# KiCad board LittleSixteen.kicad_pcb (continued)
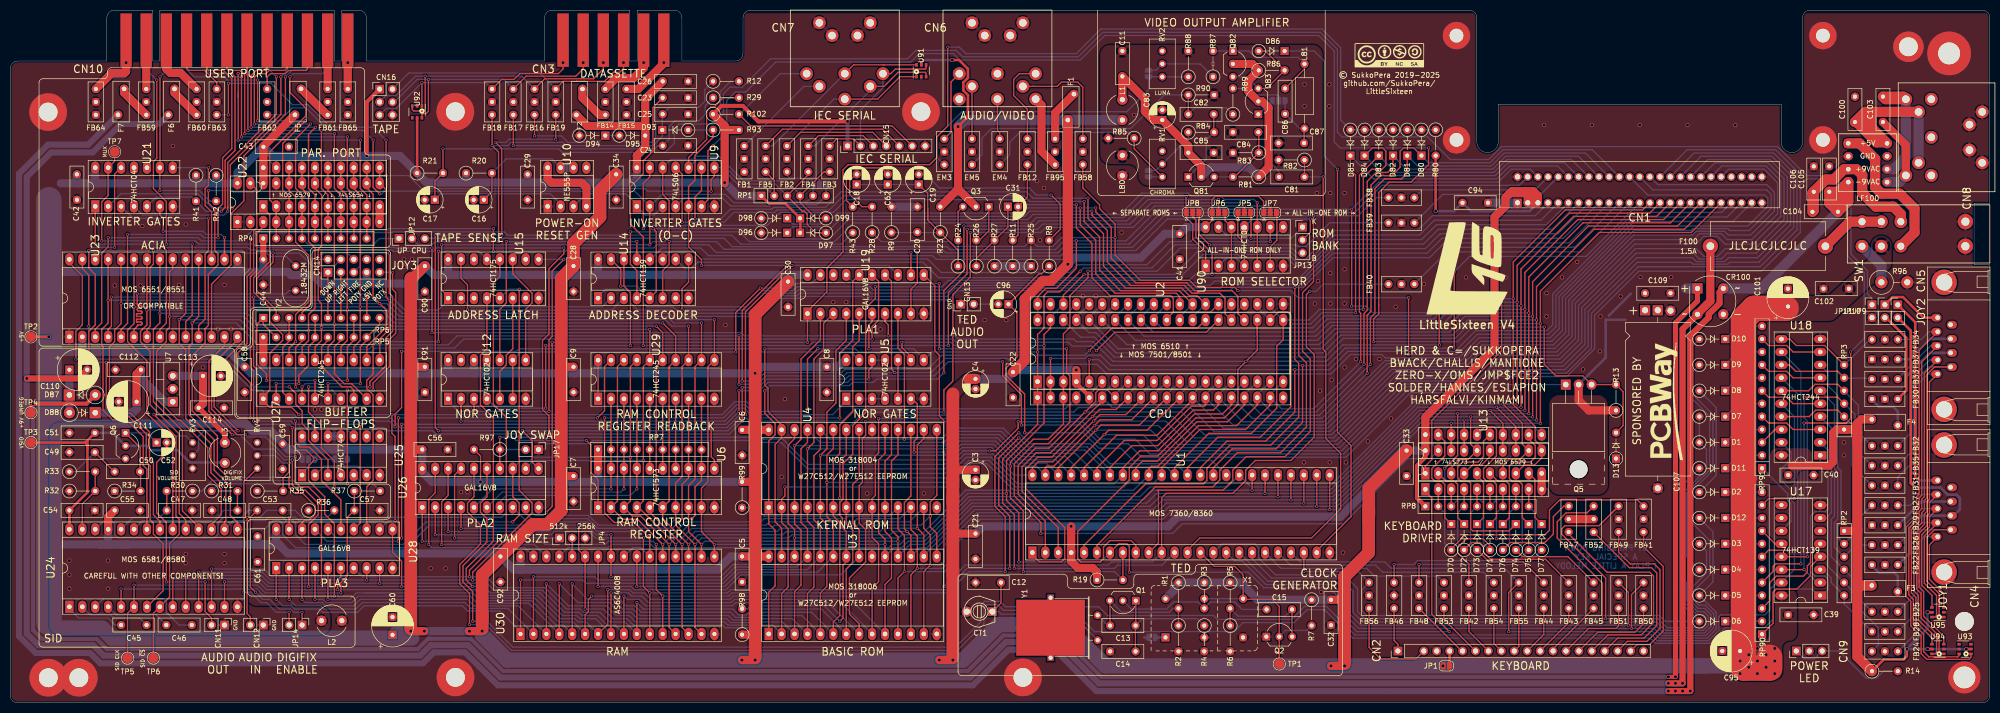
[diagram p0: board, top side]
## Routing (per net, layer and track width the routed paths; a pad name or vN(x,y) marks a point on that pad's centre or on a via; arc(x,y) is an arc through that point) (continued)
  Bottom w0.25: 72.21,70.39 v1(71.32,70.39) 70.44,69.5 45.29,69.5 44.4,70.39 16.08,70.39 15.44,71.02 v1(15.44,74.07) ; 72.21,70.39 86.06,70.39 87.83,72.16 v1(143.21,72.16) ; 72.21,70.39 72.02,70.39 ; CN1.24 338.52,94.65 319.1,94.65 304.37,79.92 304.37,73.56 302.59,71.78 288.62,71.78 284.68,67.85 270.18,67.85 269.54,68.49 263.35,68.49 259.54,64.68 215.46,64.68 213.56,66.58 197.05,66.58 195.91,67.72 183.72,67.72 180.93,64.92 v1(173.81,64.92) 164.41,64.92 163.78,64.29 148.54,64.29 146.89,62.64 v1(143.21,62.64)
r0: length 46.1
  Top w0.25: U29.2 RP7.2 U6.19 v1(118.06,42.06)
  Bottom w0.25: v1(118.06,42.06) 94.77,42.06 U26.5
r1: length 46.1
  Top w0.25: v1(120.6,42.06) 120.6,59.77
  Bottom w0.25: U26.6 96.67,41.43 119.97,41.43 v1(120.6,42.06)
r2: length 46.8
  Top w0.25: v1(123.14,42.06) U6.17 RP7.4 U29.4
  Bottom w0.25: U26.7 96.22,39.52 97.49,40.79 121.87,40.79 v1(123.14,42.06)
r3: length 13.7
  Top w0.25: U29.5 RP7.5 U6.16
r4: length 13.7
  Top w0.25: U29.6 RP7.6 U6.15
r5: length 13.7
  Top w0.25: 130.76,59.77 130.76,46.05
r6: length 60.4
  Top w0.25: v1(131.4,35.59) 132.03,36.22 132.03,42.95 133.3,44.22 U6.13 RP7.8 U29.8
  Bottom w0.25: v1(131.4,35.59) 130.12,34.32 115.39,34.32 113.49,36.22 106,36.22 105.36,35.59 101.6,35.59 U26.8
r7: length 60.4
  Top w0.25: 134.57,37.11 134.57,36.86 v1(133.94,36.22) ; 134.57,37.11 134.57,37.37 ; 134.57,37.11 134.57,42.45 135.84,43.72 U6.12 RP7.9 U29.9
  Bottom w0.25: U26.9 101.3,37.37 102.44,36.22 105.07,36.22 105.71,36.86 113.62,36.86 115.52,34.95 129.49,34.95 130.76,36.22 v1(133.94,36.22)
R_~{W}: length 751.6
  Top w0.25: v1(75.64,35.84) 75.64,52.35 75.01,52.99 v1(75.01,56.67) ; 282.14,14.63 279.35,17.43 279.35,40.29 278.08,41.56 U13.1 ; 282.14,14.63 v1(282.78,14) ; 282.14,14.63 282.27,14.51 ; 26.87,18.88 30.05,22.05 30.05,31.27 28.14,33.17 28.14,35.33 27.51,35.97 27.51,46.64 26.75,47.4 26.75,52.86 23.32,56.29 20.65,56.29 18.87,58.07 v1(18.87,66.96) ; v1(56.72,56.67) 55.32,58.07 51,58.07 49.73,59.34 U27.1 ; v1(211.02,84.23) 206.96,80.17 206.96,78.39 ; v1(219.91,25.68) 219.91,30.77 219.41,31.27 217.83,31.27 U1.7 ; 49.76,97.62 49.76,97.22 51,95.98 51,87.66 ; v1(156.67,57.3) 156.67,67.59 v1(158.7,69.62) ; v1(12.9,67.59) 12.9,73.05 14.17,74.32 14.17,83.97 11.63,86.51 U23.28 ; v1(175.21,70.89) 175.21,69.88 176.99,68.1 U5.9 ; v1(198.2,27.71) 198.2,37.37 195.78,39.78 v1(195.78,41.18) 195.78,47.66 203.15,55.02 v1(203.15,70.26) 203.15,72.42 204.42,73.69 U2.39 ; 51,88.08 51,87.66 ; 51,87.66 51,86.77 47.83,83.59 47.83,80.8 51,77.62 51,74.96 53.54,72.42 53.54,71.27 51,68.73 51,61.51 49.76,60.27 49.76,59.77 ; 91.14,59.77 v1(91.14,56.67)
  Bottom w0.25: v1(156.67,57.3) 146.63,57.3 144.73,59.21 142.44,59.21 139.9,56.67 v1(91.14,56.67) v1(75.01,56.67) v1(56.72,56.67) ; 172.42,30.51 172.54,30.51 ; 172.42,30.51 172.67,30.51 173.31,31.14 174.83,31.14 176.1,32.41 179.4,32.41 188.16,41.18 v1(195.78,41.18) ; 172.42,30.51 126.57,30.51 125.93,31.14 118.19,31.14 117.55,30.51 109.62,30.51 U30.29 ; v1(203.15,70.26) 185.5,70.26 184.86,70.89 v1(175.21,70.89) ; U28.12 74.32,35.84 v1(75.64,35.84) ; v1(282.78,14) 264.62,14 261.19,17.43 261.19,20.6 259.16,22.63 246.33,22.63 243.28,25.68 v1(219.91,25.68) ; 206.96,78.39 204.42,75.85 U2.39 ; CN1.5 300.77,94.9 279.86,94.9 276.94,91.98 260.11,91.98 255.7,87.56 ; 49.76,59.77 49.76,61.22 49.49,61.5 47.58,61.5 42.11,66.96 v1(18.87,66.96) 15.06,66.96 14.43,67.59 v1(12.9,67.59) ; v1(211.02,84.23) 228.8,84.23 233.37,88.8 241.63,88.8 242.27,88.17 251.22,88.17 252.87,86.51 254.65,86.51 255.7,87.56 ; v1(158.7,69.62) 166.07,69.62 166.7,68.99 175.39,68.99 U5.9 ; v1(198.2,27.71) 214.27,27.71 U1.7 ; 255.58,87.44 255.7,87.56
SERIAL_RESET: length 21.2
  Bottom w0.25: U10.3 113.18,100.1 120.98,100.1 123.14,97.94 U9.1 124.84,95.91 126.52,95.91 128.22,97.62
SID_AUDIO: length 176.1
  Top w0.25: v1(44.78,53.49) 40.08,58.19 40.08,65.31 46.01,71.23 46.01,84.18 47.19,85.37 v1(47.19,91.47)
  Bottom w0.25: RV3.2 37.03,49.83 37.03,52.41 38.11,53.49 v1(44.78,53.49) ; R43.1 163.3,90.2 143.56,90.2 141.78,91.98 97.74,91.98 97.1,92.61 75.13,92.61 75.01,92.48 48.21,92.48 v1(47.19,91.47)
SND: length 82.5
  Top w0.25: v1(199.34,53.11) 199.34,60.73 195.66,64.42 195.66,65.81 197.82,67.97 197.82,76.74 C96.1 197.82,80.04 197.82,80.04 202.13,84.36 202.65,84.36 R8.1
  Bottom w0.25: v1(199.34,53.11) 210.9,53.11 213.94,50.07 218.26,50.07 220.68,47.65 236.1,47.65 U1.33
SYNC_LUM: length 110.2
  Top w0.25: v1(260.81,104.93) 260.81,53.24 263.48,50.57 263.48,36.6 256.74,29.87 U1.23
  Bottom w0.25: D86.1 256.23,128.18 258.27,126.14 258.27,107.47 v1(260.81,104.93)
VGND:
  vias: v2(220.86,115.6) v2(236.36,125.64) v2(254.33,121.6) v2(254.33,117.3)
VSID: length 62.1
  Top w0.5: 14.73,51.18 15.17,50.73 15.17,49.92 ; 14.73,51.18 15.17,51.62 ; 14.73,51.18 3.76,51.18 ; 15.17,49.92 15.17,51.62 ; 15.17,49.92 15.17,41.38 C54.1 U24.28 ; 15.17,51.62 C51.2
  Bottom w0.5: C51.2 20.12,53.08 Q6.2 26.78,50.54 27.64,49.68 32.84,49.68 35.26,47.27 42.1,47.27 L3.2
~{ACIA}: length 189.5
  Top w0.25: U19.12 v1(176.99,88.55) ; v1(94.95,88.8) v1(94.95,93.25) ; v1(19.25,91.47) 19.25,89.69 17.98,88.42 17.98,74.7 16.71,73.43 U23.3
  Bottom w0.25: v1(176.99,88.55) 138.76,88.55 137.24,90.07 127.08,90.07 126.44,89.44 109.81,89.44 109.17,88.8 v1(94.95,88.8) ; v1(94.95,93.25) 74.37,93.25 74.12,92.99 47.7,92.99 45.54,90.83 37.54,90.83 36.91,91.47 v1(19.25,91.47)
~{ATTN}: length 141.8
  Top w0.25: v1(137.75,100.61) 137.75,102.9 138.38,103.53 138.38,105.24 ; v1(73.86,110.64) v1(73.86,103.66) ; 42.88,115.6 v1(42.88,121.82) ; FB5.2 150.14,102.73 RP1.2
  Bottom w0.25: v1(42.88,121.82) 47.82,121.82 47.82,121.83 51.25,121.83 55.45,117.63 58.5,117.63 62.94,113.18 71.32,113.18 v1(73.86,110.64) ; 138.38,105.24 139.73,105.24 143.59,101.38 148.46,101.38 RP1.2 ; 82.12,101.12 83.33,101.12 ; 83.33,101.12 124.73,101.12 125.24,100.61 v1(137.75,100.61) ; 83.33,101.12 80.85,101.12 78.31,103.66 v1(73.86,103.66) ; FB63.2 42.85,115.62 42.88,115.6
  vias: v1(42.88,115.62)
~{BASIC_CS1}: length 142.9
  Top w0.25: v1(121.87,92.61) 121.87,91.21 ; 121.87,91.21 121.87,91.35 ; 121.87,91.21 121.87,86.26 123.14,84.99 U14.4 ; U90.1 234.9,88.67 232.36,91.21 232.36,94.13 231.06,95.43 JP8.1 231.06,99.58
  Bottom w0.25: 231.08,99.6 231.08,99.6 222.96,99.6 218.78,95.41 201.63,95.41 200.61,94.39 165.69,94.39 162,90.71 145.24,90.71 143.34,92.61 v1(121.87,92.61) ; U90.1 234.9,86.27
  vias: v1(231.08,99.6)
~{CASSETTE}: length 108.7
  Top w0.25: v1(38.94,100.74) 38.94,98.33 40.21,97.06 40.21,88.93 40.84,88.29 40.84,86.13 38.94,84.23 38.94,74.2 38.3,73.56 38.3,70.77 35.76,68.23 35.76,57.43 40.72,52.48 40.72,46.38 v1(42.75,44.35) ; U28.18 57.35,35.46 57.78,35.88 58.66,35.88 59.89,37.11 59.89,38.76 57.48,41.18 55.96,41.18 54.81,42.32 v1(54.81,44.35)
  Bottom w0.25: v1(38.94,100.74) 43.55,100.74 43.85,100.44 47.66,100.44 48.46,101.25 48.46,106.21 49.02,106.76 50.75,106.76 U22.19 ; v1(42.75,44.35) v1(54.81,44.35)
~{CAS}: length 182.9
  Top w0.25: 176.99,60.02 178.26,58.75 178.26,52.1 177.62,51.46 v1(177.62,49.3) ; U1.11 226.26,40.29 227.15,41.18 240.23,41.18 242.77,43.72 242.77,45.75 244.67,47.65 251.66,47.65 256.24,52.23 256.24,68.49 254.71,70.01 254.71,80.29 v1(255.35,80.93) ; v1(183.47,49.3) v1(183.47,22.88)
  Bottom w0.25: U1.11 224.43,27.71 216.42,27.71 215.79,27.08 189.56,27.08 ; FB40.1 258.02,82.33 256.62,80.93 v1(255.35,80.93) ; v1(177.62,49.3) v1(183.47,49.3) ; v1(183.47,22.88) 187.67,27.08 189.56,27.08 ; 189.56,27.08 188.55,27.08
~{CS0}: length 294.1
  Top w0.25: U1.5 211.02,30.99 223.11,43.08 234.51,43.08 235.15,43.72 235.15,46.13 239.72,50.7 247.72,50.7 253.19,56.17 253.19,66.77 252.43,67.53 v1(252.43,81.69)
  Bottom w0.25: U14.1 115.52,79.91 116.92,81.31 121.24,81.31 121.87,80.67 121.87,78.64 123.27,77.24 129.87,77.24 131.14,75.97 145.37,75.97 148.92,79.53 155.02,79.53 155.4,79.91 167.46,79.91 168.1,79.28 184.48,79.28 186.26,81.05 239.73,81.05 240.36,81.69 v1(252.43,81.69) 254.08,81.69 259.92,87.54 278.91,87.54 281.83,90.46 306.33,90.46 CN1.10
~{CS1}: length 293.3
  Top w0.25: v1(253.19,82.32) 253.19,68.36 254.71,66.83 254.71,54.26 249.63,49.18 241.12,49.18 237.69,45.75 237.69,43.84 236.3,42.45 225.01,42.45 213.56,30.99 U1.6 ; U14.15 119.97,85.3 v1(119.97,81.94)
  Bottom w0.25: v1(119.97,81.94) 123.14,81.94 124.41,80.67 124.41,78.64 125.17,77.88 130.25,77.88 131.52,76.61 145.11,76.61 148.54,80.04 154.64,80.04 155.14,80.55 167.97,80.55 168.61,79.91 184.1,79.91 185.75,81.56 237.82,81.56 238.58,82.32 v1(253.19,82.32) 253.82,82.32 259.92,88.42 278.46,88.42 281.38,91.35 305.22,91.35 CN1.9
~{CS_RAMRD}: length 93.2
  Top w0.25: v1(115.39,56.03) 116.79,57.43 116.79,66.12 U29.19 ; v1(76.28,31.78) v1(76.28,56.03)
  Bottom w0.25: v1(76.28,31.78) 62.23,31.78 U28.17 ; v1(115.39,56.03) v1(76.28,56.03)
~{FUNCHI_CS}: length 127.7
  Top w0.25: U90.9 v1(247.6,90.71)
  Bottom w0.25: U14.11 129.82,88.81 134.18,88.81 135.71,87.28 180.29,87.28 182.95,84.61 208.23,84.61 209.75,86.14 223.34,86.14 227.91,90.71 231.98,90.71 232.61,91.34 242.9,91.34 243.54,90.71 v1(247.6,90.71)
~{FUNCLO_CS}: length 151
  Top w0.25: v1(126.31,93.25) 126.95,92.61 126.95,80.85 U14.5 ; 245.06,98.33 U90.10 U90.5
  Bottom w0.25: v1(126.31,93.25) 144.74,93.25 146.77,91.21 160.92,91.21 164.73,95.02 199.98,95.02 201,96.04 218.14,96.04 222.33,100.23 231.47,100.23 232.11,99.6 237.95,99.6 238.58,98.97 244.43,98.97 245.06,98.33
  vias: v1(245.06,98.33)
~{IRQ}: length 421
  Top w0.25: v1(105.87,52.22) 105.87,56.42 104.6,57.69 104.6,71.27 105.87,72.54 105.87,85.37 108.79,88.29 v1(108.79,89.44) ; v1(199.09,25.81) 199.09,37.75 196.55,40.29 v1(196.55,46.51) 196.55,47.34 201.05,51.85 203.96,51.85 206.96,54.85 U2.3 206.96,72.55 208.23,73.82 208.23,80.04 211.79,83.6 v1(211.79,84.87) ; R19.2 U1.8
  Bottom w0.25: R19.2 216.99,25.81 v1(199.09,25.81) ; v1(108.79,89.44) 83.77,89.44 83.13,88.8 75.26,88.8 75.01,89.05 47.19,89.05 46.69,89.56 27.83,89.56 27.19,88.93 18.44,88.93 U23.26 ; CN1.4 299.66,95.79 279.48,95.79 276.56,92.87 260.18,92.87 254.46,87.15 253.19,87.15 251.54,88.8 242.65,88.8 242.01,89.44 230.84,89.44 ; v1(105.87,52.22) 147.65,52.22 148.03,51.84 151.84,51.84 156.8,46.89 183.72,46.89 187.02,50.19 192.86,50.19 v1(196.55,46.51) ; 230.84,89.44 229.94,89.44 225.38,84.87 v1(211.79,84.87) ; 230.84,89.44 231.34,89.44
~{JOY1}: length 356.8
  Top w0.25: U26.16 91.14,40.54 89.87,39.27 89.87,37.49 92.41,34.95 92.41,31.27 88.34,27.21 88.34,23.4 90.25,21.49 v1(90.25,15.39)
  Bottom w0.25: v1(90.25,15.39) 93.42,15.39 98.5,10.31 186.13,10.31 191.34,15.52 191.34,18.7 191.97,19.33 194.01,19.33 195.14,18.19 208.86,18.19 213.06,14 240.49,14 242.27,15.78 252.3,15.78 254.84,18.32 258.27,18.32 263.86,12.73 322.28,12.73 323.29,11.71 333.96,11.71 337.01,14.76 344.75,14.76 346.41,16.41 346.41,21.74 347.04,22.38 354.03,22.38 355.3,21.11 U17.1 356.06,21.11 357.2,22.25 357.2,23.18 357.2,23.18 357.2,24.28 356.57,24.92 354.66,24.92 353.77,25.81 353.77,36.73 354.66,37.62 356.69,37.62 357.2,38.13 357.2,38.42 357.2,38.42 357.2,39.35 357.2,39.36 357.2,44.48 355.68,46 U18.1
~{JOY2}: length 344.4
  Top w0.25: U26.15 93.68,40.54 92.41,39.27 92.41,37.49 93.68,36.22 93.68,31.65 88.98,26.95 88.98,23.78 90.88,21.87 v1(90.88,16.03)
  Bottom w0.25: 97.8,11.9 97.49,12.22 97.49,12.22 ; 97.8,11.9 93.67,16.03 v1(90.88,16.03) ; 97.8,11.9 98.75,10.95 185.75,10.95 190.7,15.9 190.7,19.2 191.47,19.97 194.51,19.97 195.59,18.89 213.88,18.89 215.6,17.17 236.42,17.17 237.19,16.41 251.79,16.41 254.33,18.95 258.65,18.95 264.24,13.36 322.53,13.36 323.67,12.22 333.71,12.22 335.74,14.25 335.74,16.94 336.09,17.3 344.8,17.3 345.77,18.27 345.77,22.25 347.17,23.65 U17.15 350.6,26.19 350.6,39.27 349.96,39.91 349.96,41.81 348.06,43.72 348.06,46 349.96,47.91 349.96,49.3 U18.19
~{JOY3}: length 132.5
  Top w0.25: v1(169.37,71.53) 169.37,73.98 170.64,75.25 170.64,82.88 U19.15
  Bottom w0.25: U27.19 53.87,68.99 70.94,68.99 71.71,69.75 87.33,69.75 89.1,71.53 v1(169.37,71.53)
~{JOYSWAP}: length 412.8
  Top w0.25: v1(96.22,52.22) 96.22,49.94 ; R97.1 U26.14 ; v1(352.5,26.19) U17.14 ; v1(361.65,68.99) 361.65,55.89 360.77,55.02 v1(352.5,55.02) ; v1(192.48,49.56) 193.62,49.56 198.07,54 v1(198.07,55.27)
  Bottom w0.25: v1(192.48,49.56) 187.27,49.56 183.72,46 156.67,46 151.46,51.21 147.52,51.21 147.14,51.59 114.5,51.59 113.87,50.95 105.36,50.95 104.72,51.59 99.39,51.59 98.76,52.22 v1(96.22,52.22) ; v1(361.65,68.99) 364.31,71.66 364.31,84.61 361.07,87.85 361.07,99.91 357.96,103.02 353.01,103.02 351.74,101.75 351.74,92.48 344.12,84.86 319.99,84.86 311.35,76.23 311.35,69.62 305.89,64.16 292.18,64.16 289.57,61.56 274.65,61.56 262.01,48.92 223.98,48.92 221.06,51.84 214.18,51.84 210.75,55.27 v1(198.07,55.27) ; R97.1 101.3,49.81 ; U17.2 355.04,23.65 v1(352.5,26.19) v1(352.5,55.02)
~{KERNAL_CS1}: length 138.1
  Top w0.25: JP5.1 241.22,91.76 242.52,90.46 U90.4
  Bottom w0.25: U14.12 125.86,87.2 128.09,89.44 135.71,89.44 137.23,87.92 181.24,87.92 181.94,87.22 206.9,87.22 208.62,88.93 221.19,88.93 227.41,95.15 241.19,95.15 241.22,95.13 ; U90.4 242.47,85.93 240.87,87.53 239.06,87.53 237.47,85.93 U90.2
  vias: v1(241.22,95.15)
~{RAS}: length 203.4
  Top w0.25: 256.1,84.86 v1(256.1,95.79) ; 256.11,95.79 256.1,95.79 ; v1(178.26,88.55) 178.26,88.55 178.26,82.57 176.99,81.3 U19.9 ; 256.11,84.86 256.11,82.83 253.95,80.67 253.95,69.12 255.47,67.6 255.47,53.37 250.52,48.41 242.9,48.41 240.23,45.75 240.23,43.72 238.33,41.81 225.38,41.81 225.63,41.56 225.63,31.45 U1.10
  Bottom w0.25: FB38.1 268.43,99.35 264.87,95.79 256.11,95.79 256.1,95.79 256.1,95.79 226.77,95.79 220.55,89.57 208.11,89.57 206.39,87.85 182.83,87.85 182.13,88.55 v1(178.26,88.55)
~{RESET}: length 692.9
  Top w0.25: v1(72.59,100.1) 71.32,101.37 v1(71.32,110.64) ; v1(19.89,79.78) 19.89,74.05 19.25,73.41 U23.4 ; v1(84.79,90.07) 84.79,81.18 86.06,79.91 U15.1 ; v1(293.07,80.1) 293.07,69.24 279.35,55.53 279.35,47.84 278.08,46.57 U20.1 ; v1(263.6,97.06) v1(263.6,78.01) ; v1(63.7,20.98) 63.7,27.33 ; 63.7,27.33 63.7,35.21 61.8,37.11 61.8,40.54 58.62,43.72 58.62,46.6 v1(59.93,47.91) 58.15,49.68 56.4,49.68 55.45,50.64 v1(55.45,54.13) ; 63.7,27.33 63.7,25.05 ; U9.2 v1(125.68,90.07) ; 201.88,78.39 201.88,79.88 203.5,81.5 205.56,81.5 209.5,85.44 v1(209.5,90.84) ; U24.5 v1(21.79,22.38) ; v1(48.46,54.76) 48.46,65.56 47.83,66.19 v1(47.83,79.78)
  Bottom w0.25: v1(72.59,100.1) 73.02,100.1 73.53,100.61 122.73,100.61 125.68,97.66 U9.2 128.04,99.98 140.54,99.98 142.19,98.33 148.67,98.33 148.79,98.45 156.51,98.45 RP1.5 157.76,101.85 157.79,101.88 ; 157.76,102.11 157.73,102.14 ; U25.10 65.79,54.13 v1(55.45,54.13) 54.81,54.76 v1(48.46,54.76) ; U2.40 201.88,78.39 ; v1(293.07,80.1) 281.83,80.1 278.46,76.74 267.67,76.74 266.4,78.01 v1(263.6,78.01) ; CN1.C 298.7,104.93 294.97,104.93 292.43,102.39 268.94,102.39 v1(263.6,97.06) 225.5,97.06 219.28,90.84 v1(209.5,90.84) 207.09,90.84 205.38,89.12 184.67,89.12 184.1,89.69 141.94,89.69 140.28,91.34 129.17,91.34 128.54,90.71 126.31,90.71 v1(125.68,90.07) v1(84.79,90.07) ; U15.1 86.06,79.15 84.15,77.24 77.55,77.24 75.01,79.78 70.4,79.78 70.38,79.76 69.78,79.76 69.76,79.78 v1(47.83,79.78) v1(19.89,79.78) ; v1(71.32,110.64) 69.42,112.55 62.56,112.55 58.12,116.99 55.45,116.99 54.08,115.62 FB62.2 ; v1(63.7,20.98) 49.86,20.98 48.46,22.38 v1(21.79,22.38) ; v1(59.93,47.91) JP15.3
~{SID}: length 225.1
  Top w0.25: TP6.1 28.14,17.61 U24.8 31.32,20.78 31.32,31.27 33.22,33.17 33.22,36.1 32.59,36.73 32.59,52.35 v1(28.27,56.67) ; v1(153.62,86.01) 144.48,76.86 v1(144.48,56.67)
  Bottom w0.25: v1(28.27,56.67) 55.77,56.67 56.4,56.03 74.75,56.03 76.66,54.13 140.86,54.13 143.4,56.67 v1(144.48,56.67) ; U19.13 172.6,86.01 v1(153.62,86.01)
~{TAPE_SENSE_USERPORT}: length 77.2
  Top w0.25: v1(59,113.82) 56.08,110.9 56.08,101.15 57.35,99.88 57.35,91.34 57.39,91.31 ; v1(47.99,113.82) 47.99,122.96 48.75,123.73 50.27,123.73 50.91,124.36 53.99,124.36 54.46,124.83 CN10.4
  Bottom w0.25: JP12.1 72.59,91.31 71.35,90.07 58.59,90.07 RP4.4 ; v1(47.99,113.82) v1(59,113.82)
Net-(C12-Pad1): length 29.5
  Top w0.25: CT1.1 194.69,19.63 194.69,23.7
  Bottom w0.25: Y1.2 208.58,17.43 194.77,17.43 194.27,17.93 CT1.1
Net-(C13-Pad1): length 26
  Top w0.25: 229.57,18.37 R2.1 ; 216.1,15.19 216.1,20.06
  Bottom w0.25: Y1.1 215.72,15.19 216.1,15.19 ; 216.1,20.1 218.39,17.81 227.72,17.81 228.49,18.57 R1.2
Net-(C13-Pad2): length 25.6
  Top w0.25: Q1.1 221.18,15.27 221.1,15.19 221.1,10.11
  Bottom w0.25: 224.61,16.54 233.3,16.54 R4.1 ; 224.61,16.54 223.68,16.54 ; 224.61,16.54 222.49,16.54 C13.2
Net-(C15-Pad1): length 21.9
  Top w0.25: 239.73,18.37 R6.1 ; C15.1 251.88,13.05 ; 251.62,13.05 251.66,13.01
  Bottom w0.25: C15.1 250.56,17.05 241.25,17.05 R5.2
Net-(C15-Pad2): length 31.2
  Bottom w0.25: Q1.2 220.3,18.44 227.22,18.44 228.61,19.84 233.38,19.84 R3.2 235.92,19.84 240.62,19.84 242.09,18.37 C15.2
Net-(C16-Pad1): length 23.8
  Top w0.25: R20.2 94.66,100.5 C16.1
  Bottom w0.25: R20.2 97.46,106.96 106.43,106.96 U10.7
  Bottom w1.6: U10.7 U10.6
Net-(C17-Pad1): length 377.3
  Top w0.25: 85.04,108.88 85.04,104.16 83.46,102.58 C17.1
  Bottom w0.25: C17.1 84.64,100.1 106.12,100.1 108.15,98.07 U10.2 ; JP11.1 365.84,79.53 364.95,80.42 364.95,84.99 361.71,88.23 361.71,100.18 358.23,103.66 353.01,103.66 347.3,109.38 293.07,109.38 290.53,106.84 282.97,106.84 278.53,111.28 261.7,111.28 260.81,112.17 260.81,128.49 257.44,131.85 214.71,131.85 209.89,127.03 187.14,127.03 185.88,128.3 178,128.3 176.35,126.65 149.42,126.65 143.84,121.06 141.43,121.06 140.16,119.79 140.16,115.73 138.25,113.82 131.4,113.82 130.51,112.94 130.51,110.01 128.72,108.23 108.48,108.23 107.77,108.93 85.1,108.93
  vias: v1(85.04,108.93)
Net-(C18-Pad1): length 44.4
  Top w0.25: 180.29,94.95 R23.1 186.26,88.98 186.26,85.81 ; 180.29,94.95 180.29,97.25 ; 180.29,94.95 180.29,95.92 ; 180.29,97.25 180.29,95.92 ; 180.29,97.25 180.29,100.17 C19.1 ; 180.29,95.92 180.29,94.89
  Bottom w0.25: C19.1 C62.1 C18.1 ; R23.1 R9.1
Net-(C18-Pad2): length 10.3
  Top w0.25: C18.2 166.16,103.92 164.95,102.71 164.95,101.47 ; 164.95,101.47 164.95,99.98 167.38,97.55 R28.2 ; 164.95,101.47 164.95,101.71
Net-(C19-Pad2): length 38.2
  Top w0.25: v1(204.55,99.85) 206.32,98.07 206.32,93.11 R8.2
  Bottom w0.25: C19.2 179.9,103.92 182.58,101.25 200.23,101.25 201.63,99.85 v1(204.55,99.85)
Net-(C25-Pad2): length 96.3
  Top w0.25: v1(94.69,109.57) 95.96,108.3 v1(95.96,90.71) ; FB18.2 94.69,109.55
  Bottom w0.25: R12.1 136.47,120.56 136.47,118.27 135.33,117.12 129.6,117.12 C25.2 128.14,115.66 D93.1 128.14,111.39 126.31,109.57 109.23,109.57 108.6,110.2 98.44,110.2 97.8,109.57 94.71,109.57 94.69,109.55 ; v1(95.96,90.71) 83.52,90.71 82.88,90.07 80.18,90.07 JP12.2
Net-(C31-Pad1): length 14.3
  Top w0.25: R26.1 189.84,87.37 R27.2 196.05,93.57 C31.1
Net-(C31-Pad2): length 16.1
  Top w0.25: FB12.2 199.88,99.39 C31.2 198.05,91.99 R11.2
Net-(C45-Pad1): length 11.9
  Bottom w0.25: 11.66,18.88 11.66,18.49 ; 11.63,18.49 13.46,16.66 19.25,16.66 20.62,15.3 C45.1
Net-(C45-Pad2): length 14.1
  Bottom w0.25: U24.2 15.75,17.3 19.76,17.3 20.4,16.66 25.43,16.66 C45.2
Net-(C46-Pad1): length 23
  Bottom w0.25: U24.3 18.31,20.47 30.05,20.47 30.68,19.84 30.68,17.81 33.19,15.3 C46.1
Net-(C46-Pad2): length 12.9
  Bottom w0.25: U24.4 20.83,17.3 28.68,17.3 C46.2
Net-(C47-Pad1): length 14.3
  Top w0.25: R30.2 C47.1
  Bottom w0.25: C47.1 29.37,36.44 24.12,36.44 U24.24
Net-(C48-Pad1): length 25.7
  Top w0.25: R31.2 C48.1
  Bottom w0.25: C48.1 41.95,37.84 39.92,35.81 26.03,35.81 U24.23
Net-(C49-Pad1): length 18.6
  Top w0.25: 20.47,45.46 20.55,45.46 ; C49.1 20.44,45.46
  Bottom w0.25: R33.1 12.82,45.46 C49.1 17.9,48 22.66,48
Net-(C50-Pad1): length 27.7
  Top w0.25: R34.2 25.6,45.38 ; Q6.1 25.52,50.22 C50.1 ; 25.63,45.38 25.55,45.46
  Bottom w0.25: Q6.1 26.86,53.08 C52.1 30.07,52.48 34.54,52.48 RV3.3
Net-(C52-Pad2): length 45.6
  Top w0.25: v1(30.68,23.78) 30.68,35.46 28.78,37.37 28.78,47.27 30.76,49.26 C52.2 ; v1(38.3,23.78) 38.3,17.93 39.57,16.66 CN11.2
  Bottom w0.25: v1(30.68,23.78) v1(38.3,23.78)
Net-(C53-Pad1): length 40.3
  Top w0.25: v1(46.56,36.48) 46.56,17.55 47.19,16.92 CN12.2
  Bottom w0.25: v1(46.56,36.48) 49.1,36.48 50.46,37.84 C53.1 55.99,37.84 57.35,36.48 62.34,36.48 R36.2
Net-(C62-Pad2): length 16.4
  Top w0.25: R43.2 164.32,98.77 164.32,104.45 165.05,105.18 171.18,105.18 C62.2
Net-(C81-Pad1): length 21.5
  Top w0.25: R81.2 240.59,103.41 R83.1 245.34,112.12
  Bottom w0.25: C81.1 249.33,104.5 245.34,108.49 ; 245.34,112.12 C84.2 ; Q81.3 R81.2
Net-(C86-Pad1): length 10.2
  Top w0.25: C87.2 254.25,112.86
  Bottom w0.25: 250.55,118.14 250.52,118.11 C86.1 253.39,112.94 L81.2 254.25,112.86
Net-(C86-Pad2): length 25.4
  Top w0.25: C86.2 254.33,124.62 L81.1
  Bottom w0.25: L81.1 253.06,126.91 244.67,126.91 243.4,128.18 Q82.1 R87.2
Net-(C96-Pad2): length 4.9
  Bottom w0.25: CN13.2 C96.2
Net-(C104-Pad1): length 34.3
  Top w2: SW1.4 371.5,96.1 370.03,97.57 366.6,97.57 363.93,100.24 363.93,103.79 362.79,104.93 LF100.3 360.37,104.93 358.34,102.9 356.76,102.9 354.41,100.55 C106.1 ; C106.1 354.41,96.81 C104.1 354.15,100.24 C106.1
Net-(C110-Pad1): length 8.2
  Bottom w1.6: C110.1 11.63,57.3
Net-(C111-Pad1): length 26.3
  Top w1.6: C111.1 24.84,64.65 C112.1
  Bottom w1.6: C112.1 25.69,63.82 30.3,59.21 U7.1 ; D88.1 24.08,57.05 24.84,57.81 C111.1
Net-(C113-Pad1): length 21.5
  Top w1: C114.1 42.19,52.84 L3.1
  Top w1.6: C113.1 37.88,58.85 C114.1
  Bottom w1.6: U7.3 C113.1
Net-(CN1-Pad11): length 46.9
  Bottom w0.25: CN1.11 307.44,89.57 283.16,89.57 FB40.2
Net-(CN1-PadD): length 28
  Bottom w0.25: FB38.2 277.44,100.87 299.64,100.87 CN1.D
Net-(CN1-PadE): length 32
  Bottom w0.25: FB39.2 281.51,99.98 300.75,99.98 CN1.E
Net-(CN2-Pad1): length 8.7
  Top w0.25: FB46.2 271.93,12.27 272.7,11.51 CN2.1
Net-(CN2-Pad3): length 20
  Top w0.25: CN2.3 276.25,8.66 269.25,8.66 267.03,10.89 FB56.2
Net-(CN2-Pad5): length 2.9
  Top w0.5: CN2.5 JP1.2
Net-(CN2-Pad6): length 12
  Top w0.25: CN2.6 285.22,10.19 FB48.2
Net-(CN2-Pad7): length 10.9
  Top w0.25: FB53.2 281.74,16.39 CN2.7
Net-(CN2-Pad8): length 10
  Top w0.25: FB42.2 286.64,14.03 CN2.8
Net-(CN2-Pad9): length 9
  Top w0.25: CN2.9 291.54,11.67 FB54.2
Net-(CN2-Pad10): length 8.7
  Top w0.25: CN2.10 296.44,11.08 FB55.2
Net-(CN2-Pad11): length 9.7
  Top w0.25: FB44.2 301.35,13.44 CN2.11
Net-(CN2-Pad12): length 10.7
  Top w0.25: CN2.12 306.25,15.81 FB43.2
Net-(CN2-Pad13): length 11.7
  Top w0.25: CN2.13 303.18,10.6 FB45.2
Net-(CN2-Pad14): length 15.8
  Top w0.25: CN2.14 310.15,14.63 315.55,14.63 316.05,15.14 FB51.2
Net-(CN2-Pad15): length 17.9
  Top w0.25: FB50.2 320.96,15.56 319.27,13.88 311.94,13.88 CN2.15
Net-(CN2-Pad16): length 44.1
  Top w0.25: FB47.2 306.25,33.2 313.76,25.69 322.15,25.69 322.91,24.92 322.91,15.78 320.5,13.36 313.96,13.36 CN2.16
Net-(CN2-Pad17): length 38.4
  Top w0.25: CN2.17 315.87,12.73 321.07,12.73 323.55,15.2 323.55,25.56 322.53,26.58 318.16,26.58 FB52.2
Net-(CN2-Pad18): length 35.2
  Top w0.25: FB49.2 316.05,29.62 318.33,27.34 323.03,27.34 324.18,26.19 324.18,14.63 321.64,12.09 317.77,12.09 CN2.18
Net-(CN2-Pad19): length 29.1
  Top w0.25: CN2.19 319.68,11.46 322.15,11.46 324.82,14.12 324.82,26.83 320.96,30.69 FB41.2
Net-(CN4-Pad5): length 40.4
  Top w0.5: JP9.1 374.35,74.84 v2(374.35,43.72)
  Bottom w0.5: v2(374.35,43.72) 378.73,43.72 CN4.5
Net-(CN4-Pad7): length 66.4
  Top w0.5: v2(374.35,42.32) 373.46,43.21 373.46,73.18 JP9.2
  Bottom w0.5: v2(374.35,42.32) 379.3,42.32 380.7,40.93 382.47,40.93 383.11,40.29 383.11,38.01 381.92,36.82 CN4.7 375.57,36.82 373.2,34.45 373.2,29.41 FB22.2
Net-(CN4-Pad8): length 12.3
  Bottom w0.5: FB29.2 375.57,39.58 CN4.8
Net-(CN5-Pad5): length 12.7
  Top w0.5: CN5.5 375.98,75.74 371.93,79.79 369.89,79.79 JP10.1
Net-(CN5-Pad7): length 34.3
  Top w0.5: FB30.2 372.57,61.4 372.57,71.79 368.62,75.74 JP10.2
  Bottom w0.5: CN5.7 377.22,68.82 372.57,64.17 372.57,61.4 FB30.2
Net-(CN5-Pad8): length 12
  Bottom w0.5: FB37.2 373.16,67.55 377.19,71.58 CN5.8
Net-(CN6-Pad1): length 14
  Top w0.25: EM3.1 184.86,112.2 184.86,122.08 CN6.1
Net-(CN6-Pad3): length 17.6
  Top w0.25: CN6.3 198.31,123.72 197.18,122.59 197.18,119.41 199.88,116.7 FB12.1
Net-(CN6-Pad4): length 11.2
  Top w0.25: EM5.1 CN6.4 ; 188.66,120.17 189.3,120.81
Net-(CN6-Pad5): length 23.3
  Top w0.25: 200.89,121.22 201.47,121.22 ; 200.89,121.22 CN6.5 ; 200.89,121.22 205.72,121.22 206.58,122.07 209.75,122.07 210.77,121.06 FB58.1
Net-(CN6-Pad6): length 8
  Top w0.25: CN6.6 194,112.56 194.44,112.11 EM4.1
Net-(CN6-Pad8): length 14.5
  Top w1.6: CN6.8 202.64,117.57 202.64,108.49 205.31,105.82 FB95.2
Net-(CN7-Pad2): length 19.6
  Bottom w0.25: FB1.1 155.97,121.22 CN7.2
Net-(CN9-Pad1): length 24
  Bottom w0.25: CN9.1 352.51,8.66 354.53,8.66 CN9.3 359.36,10.19 364.69,4.86 366.73,4.86 368.09,6.22 R14.2
Net-(CN10-Pad1): length 19.2
  Top w1.6: CN10.1 FB65.1
  Bottom w1.6: FB65.1 CN10.1
  vias: v2(66.34,125.88)
Net-(CN10-Pad2): length 9.6
  Top w1.6: CN10.2 FB61.1
Net-(CN10-Pad3): length 16.6
  Top w0.25: CN10.3 58.42,124.6 58.16,124.34 54.7,124.34 54.08,123.73 51.16,123.73 50.5,123.06 FB62.1
Net-(CN10-Pad9): length 18.1
  Top w0.25: 34.86,130.3 34.86,126.17 ; FB63.1 40.6,121.97 38.21,124.36 35.03,124.36 34.66,124.73 CN10.9
